# Altium PCB ECUv2.PcbDoc (continued)
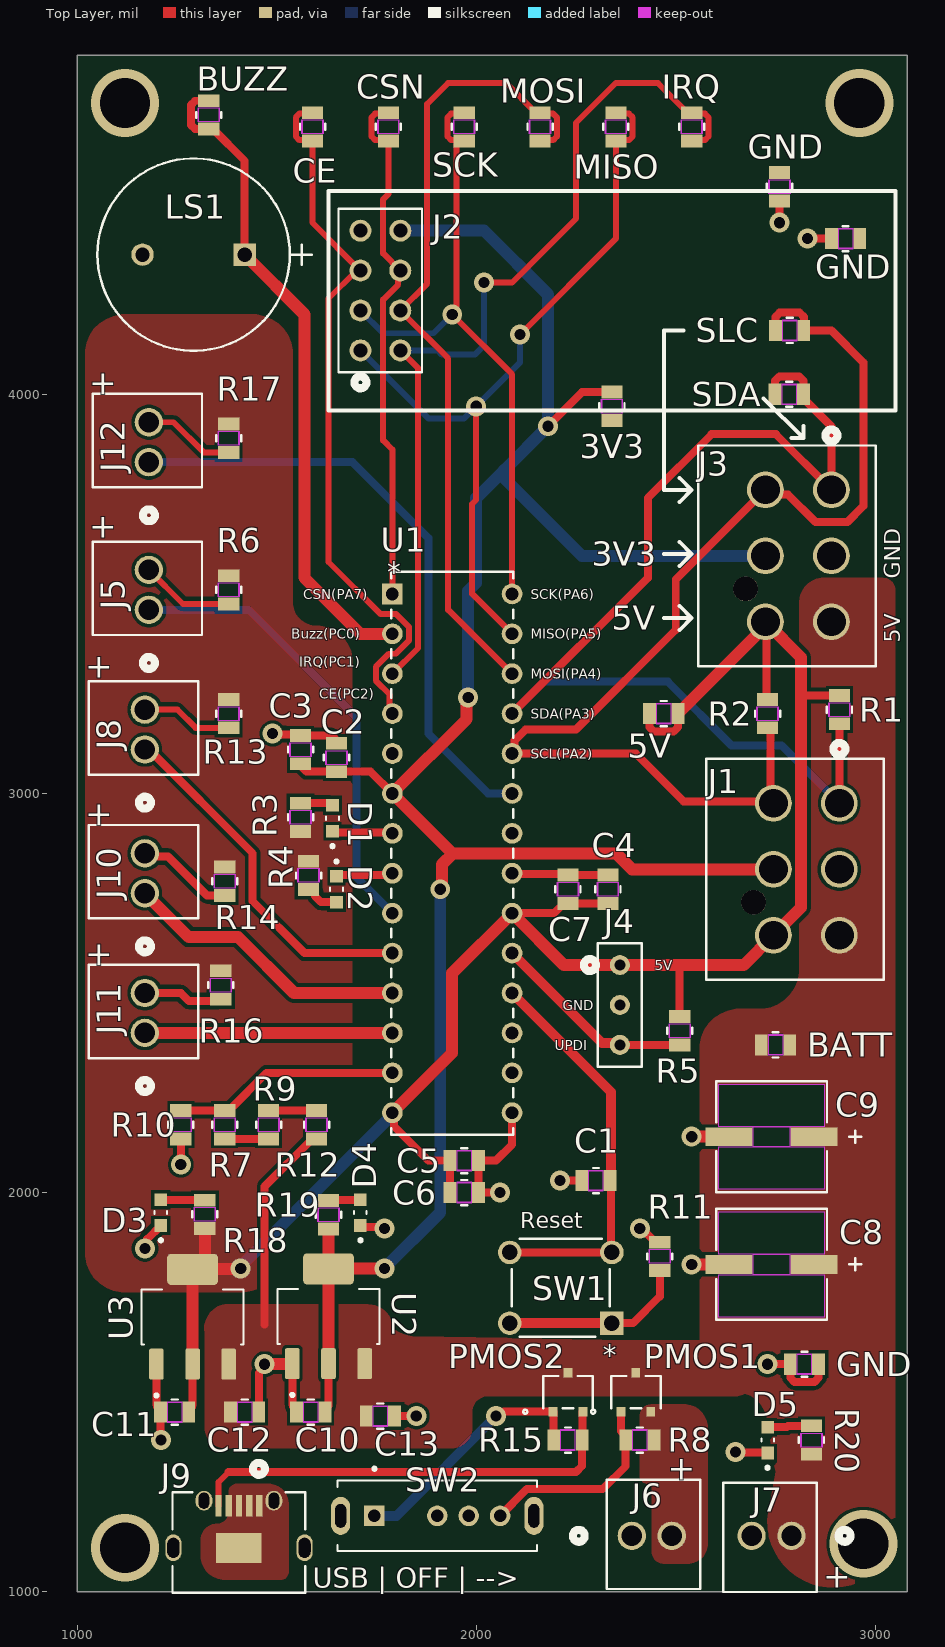
[diagram p0: Top Layer view]
## Part data (continued)
J9: library part "CON USB micro ab", "USB Connector, 5 Contact(s), Female, Right Angle, Surface Mount Terminal, Locking, Receptacle", Contact Resistance=30mR, Dielectric Withstanding Voltage (AC)=141V, Insulation Resistance=1GR, Manufacturer=Molex, Manufacturer Part Number=47590-0001, Max Operating Temperature=85°C, Min Operating Temperature=-30°C, Rated Current (Signal)=1A, Supplier Part Number=WM17144CT-ND, Additional Feature=Shielded, Board Mounting Option=PEG, Body Breadth=0.118inch, Body Depth=0.232inch, Body Length=0.295inch, Body/Shell Style=RECEPTACLE, Category="USB Connectors", ComponentLink1Description=https://datasheet.ciiva.com:443/pdfs/VipMasterIC/IC/MOLE/MOLE-S-A0000442751/MOLE-S-A0000443003-1.pdf?src-supplier=IHS+Markit, ComponentLink1URL=https://datasheet.ciiva.com:443/pdfs/VipMasterIC/IC/MOLE/MOLE-S-A0000442751/MOLE-S-A0000443003-1.pdf?src-supplier=IHS+Markit, ComponentLink2Description=https://datasheet.ciiva.com/11731/0900766b80dfe0a6-11731294.pdf?src-supplier=Rs, ComponentLink2URL=https://datasheet.ciiva.com/11731/0900766b80dfe0a6-11731294.pdf?src-supplier=Rs, ComponentLink3Description=https://datasheet.ciiva.com/1098/1597781-1098479.pdf?src-supplier=Element14, ComponentLink3URL=https://datasheet.ciiva.com/1098/1597781-1098479.pdf?src-supplier=Element14, ComponentLink4Description=https://datasheet.ciiva.com/16148/0475900001-io-connectors-16148922.pdf?src-supplier=Onlinecomponents.com, ComponentLink4URL=https://datasheet.ciiva.com/16148/0475900001-io-connectors-16148922.pdf?src-supplier=Onlinecomponents.com, Connector Type="TELECOM AND DATACOM CONNECTOR", Contact Finish - Mating=GOLD, Contact Finish - Termination="Gold (Au)", Contact Gender=Female, Contact Material="Copper Alloy", DIN Conformance=No, Durability=10000Cycles, Empty Shell=No, Filter Feature=No, IEC Conformance=No, Insulation Material=Polymer, JESD-609 Code=e4, MIL Conformance=No, Mixed Contacts=No, Mounting Option 1=LOCKING, Mounting Style="RIGHT ANGLE", Mounting Technology=Cable, Number Of Connectors=1, Number of Contacts=5, Number Of PCB Rows=1, Option="General Purpose", PCB Contact Pattern=RECTANGULAR, Polarization Key="POLAR PIN POSITION", Pricing="1=0.75, 10=0.636, 25=0.5964, 50=0.568, 100=0.5408, 250=0.50688, 500=0.48264 (USD)", Reach SVHC Compliant=Yes, Reference Standard=UL, Reliability=COMMERCIAL, RoHS=Yes, RoHS Compliant=Yes, Shell Finish=Tin, Shell Material="Stainless Steel", Stock=37888, Supplier=Digikey, Terminal Pitch=0.6604mm, Termination=SMD/SMT
LS1: "Audio Signaling/Alarm Devices", Manufacturer="CUI Devices", Manufacturer Part Number=CEM-1203(42), Category=Buzzers, ComponentLink1Description=https://www.cuidevices.com/product/resource/digikeypdf/cem-1203-42-.pdf?src-supplier=Digikey, ComponentLink1URL=https://www.cuidevices.com/product/resource/digikeypdf/cem-1203-42-.pdf?src-supplier=Digikey, ComponentLink2Description=https://datasheet.octopart.com/CEM-1203%2842%29-CUI-Devices-datasheet-175926661.pdf?src-supplier=Future+Electronics, ComponentLink2URL=https://datasheet.octopart.com/CEM-1203%2842%29-CUI-Devices-datasheet-175926661.pdf?src-supplier=Future+Electronics, ComponentLink3Description=https://datasheet.octopart.com/CEM-1203%2842%29-Same-Sky-datasheet-182879445.pdf?src-supplier=Electro+Sonic, ComponentLink3URL=https://datasheet.octopart.com/CEM-1203%2842%29-Same-Sky-datasheet-182879445.pdf?src-supplier=Electro+Sonic, ComponentLink4Description=https://datasheet.octopart.com/CEM-1203%2842%29-CUI-Devices-datasheet-175925305.pdf?src-supplier=Master+Electronics, ComponentLink4URL=https://datasheet.octopart.com/CEM-1203%2842%29-CUI-Devices-datasheet-175925305.pdf?src-supplier=Master+Electronics, Pricing="1=0.5383, 10=0.4658, 25=0.4267, 40=0.4109, 80=0.3857, 230=0.3659, 500=0.365 (USD)", RoHS=Yes, Stock=12257, Supplier="Arrow Electronics", Supplier Part Number=CEM-1203(42)
PMOS1 PMOS2: library part "MOS PMOS 30V 6A", "Power Field-Effect Transistor, 6A I(D), 30V, 0.042ohm, 1-Element, P-Channel, Silicon, Metal-oxide Semiconductor FET", Manufacturer=Toshiba, Manufacturer Part Number=SSM3J372R,LF, Supplier Part Number=SSM3J372RLFCT-ND, Category=LDO, Pricing="1=0.35, 10=0.217, 100=0.1361, 500=0.10106, 1000=0.08971 (USD)", RoHS=No, Stock=64640, Supplier=Digikey
R1 R2 R7: library part "RES 3.9k 1% 0.125W 0805", "Fixed Resistor, Metal Glaze/thick Film, 0.125W, 3920ohm, 150V, 1% +/-Tol, 100ppm/Cel, Surface Mount, 0805", Case/Package=0805, Manufacturer="Stackpole Electronics", Manufacturer Part Number=RMCF0805FT3K92, Max Operating Temperature=155°C, Min Operating Temperature=-55°C, Package Height=0.5mm, Package Length=2mm, Package Shape=Rectangular, Package Width=1.25mm, Power=125mW, Rated Temperature=70°C, Resistor Type="FIXED RESISTOR", Supplier Part Number=RMCF0805FT3K92CT-ND, Temperature Coefficient (ppm/Cel)=100, Tolerance=1%, Working Voltage=150V, Category="Chip SMD Resistors", ComponentLink1Description=https://datasheet.ciiva.com:443/pdfs/VipMasterIC/IC/SEIE/SEIE-S-A0009541969/SEIE-S-A0009541969-1.pdf?src-supplier=IHS+Markit, ComponentLink1URL=https://datasheet.ciiva.com:443/pdfs/VipMasterIC/IC/SEIE/SEIE-S-A0009541969/SEIE-S-A0009541969-1.pdf?src-supplier=IHS+Markit, ComponentLink2Description=https://datasheet.ciiva.com/3882/40960751s7172021n1174-3882844.pdf?src-supplier=Arrow+Electronics, ComponentLink2URL=https://datasheet.ciiva.com/3882/40960751s7172021n1174-3882844.pdf?src-supplier=Arrow+Electronics, ComponentLink3Description=https://datasheet.ciiva.com/15193/getdatasheetpartid-565526-15193591.pdf?src-supplier=Verical, ComponentLink3URL=https://datasheet.ciiva.com/15193/getdatasheetpartid-565526-15193591.pdf?src-supplier=Verical, Construction=Rectangular, JESD-609 Code=e3, Mounting Technology="Surface Mount", Packaging="Tape and Reel", Pins=2, Pricing="1=0.1, 10=0.021, 50=0.0128, 100=0.0105, 500=0.00704, 1000=0.00602 (USD)", Reach SVHC Compliant=Yes, Reference Standard=AEC-Q200, RoHS=Yes, RoHS Compliant=Yes, Stock=141516, Supplier=Digikey, Technology="METAL GLAZE/THICK FILM", Terminal Finish=Nickel, Termination=Wraparound
R3 R4 R6 R13 R14 R16 R17 R18 R19: library part "RES 150 1% 0.125 0805", "Fixed Resistor, Metal Glaze/thick Film, 0.125W, 150ohm, 150V, 1% +/-Tol, 100ppm/Cel, Surface Mount, 0805", Case/Package=0805, Manufacturer=Yageo, Manufacturer Part Number=RC0805FR-07150RL, Max Operating Temperature=155°C, Min Operating Temperature=-55°C, Package Height=0.5mm, Package Length=2mm, Package Shape=Rectangular, Package Width=1.25mm, Power=125mW, Rated Temperature=70°C, Resistor Type="FIXED RESISTOR", Supplier Part Number=311-150CRCT-ND, Temperature Coefficient (ppm/Cel)=100, Tolerance=1%, Working Voltage=150V, Additional Feature="LASER TRIMMABLE", Category="Chip SMD Resistors", ComponentLink1Description=https://datasheet.ciiva.com:443/pdfs/VipMasterIC/IC/YAGO/YAGO-S-A0008145938/YAGO-S-A0008145938-1.pdf?src-supplier=IHS+Markit, ComponentLink1URL=https://datasheet.ciiva.com:443/pdfs/VipMasterIC/IC/YAGO/YAGO-S-A0008145938/YAGO-S-A0008145938-1.pdf?src-supplier=IHS+Markit, ComponentLink2Description=https://datasheet.ciiva.com/11819/0900766b8106beab-11819782.pdf?src-supplier=Rs, ComponentLink2URL=https://datasheet.ciiva.com/11819/0900766b8106beab-11819782.pdf?src-supplier=Rs, ComponentLink3Description=https://datasheet.ciiva.com/2456/pyu-r-int-thick-7-2456999.pdf?src-supplier=Digikey, ComponentLink3URL=https://datasheet.ciiva.com/2456/pyu-r-int-thick-7-2456999.pdf?src-supplier=Digikey, ComponentLink4Description=https://datasheet.ciiva.com/2457/pyu-r-int-thick-7-2457000.pdf?src-supplier=Digikey, ComponentLink4URL=https://datasheet.ciiva.com/2457/pyu-r-int-thick-7-2457000.pdf?src-supplier=Digikey, ComponentLink5Description=https://datasheet.ciiva.com/2457/pyu-r-int-thick-7-2457001.pdf?src-supplier=Digikey, ComponentLink5URL=https://datasheet.ciiva.com/2457/pyu-r-int-thick-7-2457001.pdf?src-supplier=Digikey, ComponentLink6Description=https://datasheet.ciiva.com/7660/38627-7660798.pdf?src-supplier=Element14, ComponentLink6URL=https://datasheet.ciiva.com/7660/38627-7660798.pdf?src-supplier=Element14, ComponentLink7Description=https://datasheet.ciiva.com/46447/444164-46447566.pdf?src-supplier=Element14, ComponentLink7URL=https://datasheet.ciiva.com/46447/444164-46447566.pdf?src-supplier=Element14, ComponentLink8Description=https://datasheet.ciiva.com/12668/rc0805-12668251.pdf?src-supplier=Mouser, ComponentLink8URL=https://datasheet.ciiva.com/12668/rc0805-12668251.pdf?src-supplier=Mouser, Construction=Chip, JESD-609 Code=e3, Mounting Technology="Surface Mount", Packaging="Tape and Reel", Pins=2, Pricing="1=0.1, 10=0.014, 100=0.0112, 1000=0.00918 (USD)", Reach SVHC Compliant=Yes, RoHS=Yes, RoHS Compliant=Yes, Stock=982514, Supplier=Digikey, Technology="METAL GLAZE/THICK FILM", Terminal Finish=Nickel, Termination=Wraparound
R5 R20: library part "RES 1.4k 1% 0.125W 0805", "Fixed Resistor, Metal Glaze/thick Film, 0.125W, 1400ohm, 150V, 1% +/-Tol, 100ppm/Cel, Surface Mount, 0805", Case/Package=0805, Manufacturer=Yageo, Manufacturer Part Number=RC0805FR-071K4L, Max Operating Temperature=155°C, Min Operating Temperature=-55°C, Package Height=0.5mm, Package Length=2mm, Package Shape=Rectangular, Package Width=1.25mm, Power=125mW, Rated Temperature=70°C, Resistor Type="FIXED RESISTOR", Supplier Part Number=5205166, Temperature Coefficient (ppm/Cel)=100, Tolerance=1%, Working Voltage=150V, Additional Feature="LASER TRIMMABLE", Category="Chip SMD Resistors", ComponentLink1Description=https://datasheet.ciiva.com:443/pdfs/VipMasterIC/IC/YAGO/YAGO-S-A0008145938/YAGO-S-A0008145938-1.pdf?src-supplier=IHS+Markit, ComponentLink1URL=https://datasheet.ciiva.com:443/pdfs/VipMasterIC/IC/YAGO/YAGO-S-A0008145938/YAGO-S-A0008145938-1.pdf?src-supplier=IHS+Markit, ComponentLink2Description=https://datasheet.ciiva.com/2519/pyu-r-int-thick-7-2519780.pdf?src-supplier=Digikey, ComponentLink2URL=https://datasheet.ciiva.com/2519/pyu-r-int-thick-7-2519780.pdf?src-supplier=Digikey, ComponentLink3Description=https://datasheet.ciiva.com/2519/pyu-r-int-thick-7-2519781.pdf?src-supplier=Digikey, ComponentLink3URL=https://datasheet.ciiva.com/2519/pyu-r-int-thick-7-2519781.pdf?src-supplier=Digikey, ComponentLink4Description=https://datasheet.ciiva.com/2519/pyu-r-int-thick-7-2519782.pdf?src-supplier=Digikey, ComponentLink4URL=https://datasheet.ciiva.com/2519/pyu-r-int-thick-7-2519782.pdf?src-supplier=Digikey, ComponentLink5Description=https://datasheet.ciiva.com/5596/rc0805-5596057.pdf?src-supplier=Mouser, ComponentLink5URL=https://datasheet.ciiva.com/5596/rc0805-5596057.pdf?src-supplier=Mouser, ComponentLink6Description=https://datasheet.ciiva.com/17033/rc0805-17033654.pdf?src-supplier=Future+Electronics, ComponentLink6URL=https://datasheet.ciiva.com/17033/rc0805-17033654.pdf?src-supplier=Future+Electronics, Construction=Chip, JESD-609 Code=e3, Mounting Technology="Surface Mount", Packaging="Tape and Reel", Pins=2, Pricing="5000=0.0021, 20000=0.002, 100000=0.0019, 200000=0.0018, 625000=0.0017 (USD)", Reach SVHC Compliant=Yes, RoHS=Yes, RoHS Compliant=Yes, Stock=70000, Supplier="Future Electronics", Technology="METAL GLAZE/THICK FILM", Terminal Finish=Nickel, Termination=Wraparound
R8 R15: library part "RES 10k 1% 0.125 0805", "Fixed Resistor, Metal Glaze/thick Film, 0.125W, 10000ohm, 150V, 1% +/-Tol, 100ppm/Cel, Surface Mount, 0805", Case/Package=0805, Manufacturer="Stackpole Electronics", Manufacturer Part Number=RMCF0805FT10K0, Max Operating Temperature=155°C, Min Operating Temperature=-55°C, Package Height=0.5mm, Package Length=2mm, Package Shape=Rectangular, Package Width=1.25mm, Power=125mW, Rated Temperature=70°C, Resistor Type="FIXED RESISTOR", Supplier Part Number=RMCF0805FT10K0CT-ND, Temperature Coefficient (ppm/Cel)=100, Tolerance=1%, Working Voltage=150V, Category="Chip SMD Resistors", ComponentLink1Description=https://datasheet.ciiva.com:443/pdfs/VipMasterIC/IC/SEIE/SEIE-S-A0009541969/SEIE-S-A0009541969-1.pdf?src-supplier=IHS+Markit, ComponentLink1URL=https://datasheet.ciiva.com:443/pdfs/VipMasterIC/IC/SEIE/SEIE-S-A0009541969/SEIE-S-A0009541969-1.pdf?src-supplier=IHS+Markit, ComponentLink2Description=https://datasheet.ciiva.com/15193/getdatasheetpartid-362046-15193525.pdf?src-supplier=Verical, ComponentLink2URL=https://datasheet.ciiva.com/15193/getdatasheetpartid-362046-15193525.pdf?src-supplier=Verical, Construction=Rectangular, JESD-609 Code=e3, Mounting Technology="Surface Mount", Packaging="Tape and Reel", Pins=2, Pricing="1=0.1, 10=0.025, 100=0.012, 1000=0.00658, 2500=0.00538 (USD)", Reach SVHC Compliant=Yes, Reference Standard=AEC-Q200, RoHS=Yes, RoHS Compliant=Yes, Stock=1401146, Supplier=Digikey, Technology="METAL GLAZE/THICK FILM", Terminal Finish=Nickel, Termination=Wraparound
R9: library part "RES 18.7k 1% 0.125W 0805", "Fixed Resistor, Metal Glaze/thick Film, 0.125W, 18700ohm, 150V, 1% +/-Tol, 100ppm/Cel, Surface Mount, 0805", Case/Package=0805, Manufacturer="Stackpole Electronics", Manufacturer Part Number=RMCF0805FT18K7, Max Operating Temperature=155°C, Min Operating Temperature=-55°C, Package Height=0.5mm, Package Length=2mm, Package Shape=Rectangular, Package Width=1.25mm, Power=125mW, Rated Temperature=70°C, Resistor Type="FIXED RESISTOR", Supplier Part Number=RMCF0805FT18K7CT-ND, Temperature Coefficient (ppm/Cel)=100, Tolerance=1%, Working Voltage=150V, Category="Chip SMD Resistors", ComponentLink1Description=https://datasheet.ciiva.com:443/pdfs/VipMasterIC/IC/SEIE/SEIE-S-A0009541969/SEIE-S-A0009541969-1.pdf?src-supplier=IHS+Markit, ComponentLink1URL=https://datasheet.ciiva.com:443/pdfs/VipMasterIC/IC/SEIE/SEIE-S-A0009541969/SEIE-S-A0009541969-1.pdf?src-supplier=IHS+Markit, ComponentLink2Description=http://components.arrow.com/part/dataview/50586056S357577N1174?src-supplier=Arrow+Electronics, ComponentLink2URL=http://components.arrow.com/part/dataview/50586056S357577N1174?src-supplier=Arrow+Electronics, ComponentLink3Description=https://www.seielect.com/catalog/sei-rmcf_rmcp.pdf?src-supplier=Digikey, ComponentLink3URL=https://www.seielect.com/catalog/sei-rmcf_rmcp.pdf?src-supplier=Digikey, ComponentLink4Description=https://www.seielect.com/catalog/SEI-RMCF_RMCP.pdf?src-supplier=Avnet, ComponentLink4URL=https://www.seielect.com/catalog/SEI-RMCF_RMCP.pdf?src-supplier=Avnet, ComponentLink5Description=https://datasheet.octopart.com/RMCF0805FT18K7-Stackpole-Electronics-datasheet-28504820.pdf?src-supplier=Future+Electronics, ComponentLink5URL=https://datasheet.octopart.com/RMCF0805FT18K7-Stackpole-Electronics-datasheet-28504820.pdf?src-supplier=Future+Electronics, Construction=Rectangular, JESD-609 Code=e3, Mounting Technology="Surface Mount", Packaging="Tape and Reel", Pins=2, Pricing="1=0.1, 10=0.025, 100=0.012, 1000=0.00628, 2500=0.00538 (USD)", Reach SVHC Compliant=Yes, Reference Standard=AEC-Q200, RoHS=Yes, RoHS Compliant=Yes, Stock=214137, Supplier=Digikey, Technology="METAL GLAZE/THICK FILM", Terminal Finish=Nickel, Termination=Wraparound
R10 R12: library part "RES 41.2K 1% 0.125W 0805", "Fixed Resistor, Metal Glaze/thick Film, 0.125W, 41200ohm, 150V, 1% +/-Tol, 100ppm/Cel, Surface Mount, 0805", Case/Package=0805, Manufacturer=Vishay, Manufacturer Part Number=CRCW080541K2FKEA, Max Operating Temperature=155°C, Min Operating Temperature=-55°C, Package Height=0.45mm, Package Length=2mm, Package Shape=Rectangular, Package Width=1.25mm, Power=125mW, Rated Temperature=70°C, Resistor Type="FIXED RESISTOR", Temperature Coefficient (ppm/Cel)=100, Tolerance=1%, Working Voltage=150V, Category="Chip SMD Resistors", ComponentLink1Description=https://datasheet.ciiva.com:443/pdfs/VipMasterIC/IC/VISH/VISH-S-A0007266705/VISH-S-A0007266705-1.pdf?src-supplier=IHS+Markit, ComponentLink1URL=https://datasheet.ciiva.com:443/pdfs/VipMasterIC/IC/VISH/VISH-S-A0007266705/VISH-S-A0007266705-1.pdf?src-supplier=IHS+Markit, ComponentLink2Description=https://datasheet.ciiva.com/2467/dcrcwe3-2467875.pdf?src-supplier=Digikey, ComponentLink2URL=https://datasheet.ciiva.com/2467/dcrcwe3-2467875.pdf?src-supplier=Digikey, ComponentLink3Description=https://datasheet.ciiva.com/2467/dcrcwe3-2467876.pdf?src-supplier=Digikey, ComponentLink3URL=https://datasheet.ciiva.com/2467/dcrcwe3-2467876.pdf?src-supplier=Digikey, ComponentLink4Description=https://datasheet.ciiva.com/2467/dcrcwe3-2467877.pdf?src-supplier=Digikey, ComponentLink4URL=https://datasheet.ciiva.com/2467/dcrcwe3-2467877.pdf?src-supplier=Digikey, ComponentLink5Description=https://datasheet.ciiva.com/9009/dcrcwe3-9009672.pdf?src-supplier=Avnet, ComponentLink5URL=https://datasheet.ciiva.com/9009/dcrcwe3-9009672.pdf?src-supplier=Avnet, ComponentLink6Description=https://datasheet.ciiva.com/5552/dcrcwe3-109170-5552669.pdf?src-supplier=Mouser, ComponentLink6URL=https://datasheet.ciiva.com/5552/dcrcwe3-109170-5552669.pdf?src-supplier=Mouser, ComponentLink7Description=https://datasheet.ciiva.com/7671/1697337-7671701.pdf?src-supplier=Element14, ComponentLink7URL=https://datasheet.ciiva.com/7671/1697337-7671701.pdf?src-supplier=Element14, ComponentLink8Description=https://datasheet.ciiva.com/7725/125364-7725967.pdf?src-supplier=Element14, ComponentLink8URL=https://datasheet.ciiva.com/7725/125364-7725967.pdf?src-supplier=Element14, ComponentLink9Description=https://datasheet.ciiva.com/22702/1697337-22702910.pdf?src-supplier=Element14, ComponentLink9URL=https://datasheet.ciiva.com/22702/1697337-22702910.pdf?src-supplier=Element14, ComponentLink10Description=https://datasheet.ciiva.com/16200/dcrcwe3-16200485.pdf?src-supplier=Future+Electronics, ComponentLink10URL=https://datasheet.ciiva.com/16200/dcrcwe3-16200485.pdf?src-supplier=Future+Electronics, Construction=Chip, JESD-609 Code=e3, Mounting Technology="Surface Mount", Packaging="Tape and Reel", Pins=2, Pricing="1=0.0041 (USD)", Reach SVHC Compliant=Yes, Reference Standard=AEC-Q200, RoHS=Yes, RoHS Compliant=Yes, Stock=1, Supplier="Arrow Electronics", Supplier Part Number=CRCW080541K2FKEA, Technology="METAL GLAZE/THICK FILM", Terminal Finish=Nickel, Termination=Wraparound
R11: library part "RES 330 1% 0.125W 0805", "Fixed Resistor, Metal Glaze/thick Film, 0.125W, 330ohm, 150V, 1% +/-Tol, 100ppm/Cel, Surface Mount, 0805", Case/Package=0805, Manufacturer="Stackpole Electronics", Manufacturer Part Number=RMCF0805FT330R, Max Operating Temperature=155°C, Min Operating Temperature=-55°C, Package Height=0.5mm, Package Length=2mm, Package Shape=Rectangular, Package Width=1.25mm, Power=125mW, Rated Temperature=70°C, Resistor Type="FIXED RESISTOR", Supplier Part Number=RMCF0805FT330RCT-ND, Temperature Coefficient (ppm/Cel)=100, Tolerance=1%, Working Voltage=150V, Category="Chip SMD Resistors", ComponentLink1Description=https://datasheet.ciiva.com:443/pdfs/VipMasterIC/IC/SEIE/SEIE-S-A0009541969/SEIE-S-A0009541969-1.pdf?src-supplier=IHS+Markit, ComponentLink1URL=https://datasheet.ciiva.com:443/pdfs/VipMasterIC/IC/SEIE/SEIE-S-A0009541969/SEIE-S-A0009541969-1.pdf?src-supplier=IHS+Markit, ComponentLink2Description=http://components.arrow.com/part/dataview/40963487S9848862N1174?src-supplier=Arrow+Electronics, ComponentLink2URL=http://components.arrow.com/part/dataview/40963487S9848862N1174?src-supplier=Arrow+Electronics, ComponentLink3Description=https://www.seielect.com/catalog/SEI-RMCF_RMCP.pdf?src-supplier=Avnet, ComponentLink3URL=https://www.seielect.com/catalog/SEI-RMCF_RMCP.pdf?src-supplier=Avnet, ComponentLink4Description=https://www.seielect.com/catalog/sei-rmcf_rmcp.pdf?src-supplier=Digikey, ComponentLink4URL=https://www.seielect.com/catalog/sei-rmcf_rmcp.pdf?src-supplier=Digikey, ComponentLink5Description=https://www.seielect.com/catalog/SEI-Packaging.pdf?src-supplier=Digikey, ComponentLink5URL=https://www.seielect.com/catalog/SEI-Packaging.pdf?src-supplier=Digikey, ComponentLink6Description=https://www.verical.com/server-webapp/html/getDatasheet?partID=559884&src-supplier=Verical, ComponentLink6URL=https://www.verical.com/server-webapp/html/getDatasheet?partID=559884&src-supplier=Verical, ComponentLink7Description=https://datasheet.octopart.com/RMCF0805FT330R-Stackpole-Electronics-datasheet-12534581.pdf?src-supplier=Future+Electronics, ComponentLink7URL=https://datasheet.octopart.com/RMCF0805FT330R-Stackpole-Electronics-datasheet-12534581.pdf?src-supplier=Future+Electronics, Construction=Rectangular, JESD-609 Code=e3, Mounting Technology="Surface Mount", Packaging="Tape and Reel", Pins=2, Pricing="1=0.1, 10=0.025, 100=0.012, 1000=0.00658, 2500=0.00564 (USD)", Reach SVHC Compliant=Yes, Reference Standard=AEC-Q200, RoHS=Yes, RoHS Compliant=Yes, Stock=270482, Supplier=Digikey, Technology="METAL GLAZE/THICK FILM", Terminal Finish=Nickel, Termination=Wraparound
SW1: "Keypad Switch, 1 Switches, SPST, Momentary-tactile, 0.05A, 24VDC, 2.06N, 4 PCB Hole Cnt, Solder Terminal, Through Hole-straight", Contact Current(DC)-Max=50mA, Contact DC Max Rating R Load=.05A@24VDC, Contact Voltage(DC)-Max=24V, Manufacturer="TE Connectivity Alcoswitch", Manufacturer Part Number=1825910-6, Max Operating Temperature=85°C, Min Operating Temperature=-35°C, Operating Force-Max=2.06N, Body Breadth=5.99mm, Body Height=3.61mm, Body Length or Diameter=5.99mm, Category="Pushbutton Switches", Circuit Configuration=1X1, ComponentLink1Description=https://datasheet.ciiva.com:443/pdfs/VipMasterIC/IC/TYEL/TYEL-S-A0008869674/TYEL-S-A0008850909-1.pdf?src-supplier=IHS+Markit, ComponentLink1URL=https://datasheet.ciiva.com:443/pdfs/VipMasterIC/IC/TYEL/TYEL-S-A0008869674/TYEL-S-A0008850909-1.pdf?src-supplier=IHS+Markit, ComponentLink2Description=https://datasheet.ciiva.com/30199/1825910-6rqpn1825910-6-30199520.pdf?src-supplier=Onlinecomponents.com, ComponentLink2URL=https://datasheet.ciiva.com/30199/1825910-6rqpn1825910-6-30199520.pdf?src-supplier=Onlinecomponents.com, ComponentLink3Description=https://datasheet.ciiva.com/15184/getdatasheetpartid-395915-15184509.pdf?src-supplier=Verical, ComponentLink3URL=https://datasheet.ciiva.com/15184/getdatasheetpartid-395915-15184509.pdf?src-supplier=Verical, Mounting Technology="Through Hole", Number of Switches=1, Pricing="1=0.04963, 10=0.04908, 30=0.04866, 50=0.04823, 100=0.0478 (USD)", Reach SVHC Compliant=Yes, RoHS=Yes, RoHS Compliant=Yes, Stock=150345, Supplier=Avnet, Supplier Part Number=1825910-6, Switch Action=MOMENTARY, Switch Function=SPST, Switch Type=Keypad, Termination=Solder
SW2: library part "SW On-On-On 300mA", "12.7 x 7.5 x 4.5 mm, 2 mm Raised Slide Actuator, Right Angle, Through Hole, Slide Switch", Manufacturer="Same Sky", Manufacturer Part Number=SLW-1277545-2A-RA-S-D, Supplier Part Number=2223-SLW-1277545-2A-RA-S-D-ND, Pricing="1=0.39, 10=0.336, 25=0.314, 100=0.2811, 250=0.26048, 500=0.24582, 1000=0.23217, 3000=0.2128, 5000=0.20479 (USD)", RoHS=No, Stock=2799, Supplier=Digikey
U1: "RISC Microcontroller, 8-Bit, FLASH, AVR CPU, 24MHz, CMOS, PDIP28", Manufacturer=Microchip, Supplier Part Number=12AJ7043, Category=Microcontrollers, ComponentLink1Description=http://ww1.microchip.com/downloads/en/DeviceDoc/AVR128DB28-32-48-64-DataSheet-DS40002247A.pdf?src-supplier=Digikey, ComponentLink1URL=http://ww1.microchip.com/downloads/en/DeviceDoc/AVR128DB28-32-48-64-DataSheet-DS40002247A.pdf?src-supplier=Digikey, ComponentLink2Description=https://datasheet.octopart.com/AVR128DB28-I-SP-Microchip-datasheet-168930144.pdf?src-supplier=microchipDIRECT, ComponentLink2URL=https://datasheet.octopart.com/AVR128DB28-I-SP-Microchip-datasheet-168930144.pdf?src-supplier=microchipDIRECT, Manufacturer Part Number=AVR128DB28-I/SP, Pricing="1=5.04, 10=4.9, 30=4.76, 60=4.62, 105=4.41, 510=4.2 (CAD)", RoHS=No, Stock=41, Supplier=Newark
U2: "Fixed Positive LDO Regulator, 3.3V, 0.6V Dropout, PDSO4", Case/Package=SOP, Dropout Voltage1-Max=600mV, Manufacturer=STMicroelectronics, Max Supply Voltage=18V, Min Input Voltage=4.3V, Operating Temperature, TJ-Max=125°C, Operating Temperature, TJ-Min=-40°C, Output Current1-Max=1.2A, Output Voltage1-Max=3.399V, Output Voltage1-Min=3.201V, Output Voltage1-Nom=3.3V, Package Body Material=Plastic, Package Shape=Rectangular, Package Style="SMALL OUTLINEMeter", Category="Voltage Regulators - Linear", Channels=1, ComponentLink1Description=https://datasheet.ciiva.com:443/pdfs/VipMasterIC/IC/SGST/SGST-S-A0010030722/SGST-S-A0010030722-1.pdf?src-supplier=IHS+Markit, ComponentLink1URL=https://datasheet.ciiva.com:443/pdfs/VipMasterIC/IC/SGST/SGST-S-A0010030722/SGST-S-A0010030722-1.pdf?src-supplier=IHS+Markit, ComponentLink2Description=http://www.farnell.com/datasheets/2259188.pdf?src-supplier=Farnell, ComponentLink2URL=http://www.farnell.com/datasheets/2259188.pdf?src-supplier=Farnell, ComponentLink3Description=http://www.st.com/content/ccc/resource/technical/document/datasheet/group3/0e/5a/00/ca/10/1a/4f/a5/DM00366442/files/DM00366442.pdf/jcr:content/translations/en.DM00366442.pdf?src-supplier=Digikey, ComponentLink3URL=http://www.st.com/content/ccc/resource/technical/document/datasheet/group3/0e/5a/00/ca/10/1a/4f/a5/DM00366442/files/DM00366442.pdf/jcr:content/translations/en.DM00366442.pdf?src-supplier=Digikey, ComponentLink4Description=http://www.farnell.com/datasheets/2259188.pdf?src-supplier=Element14, ComponentLink4URL=http://www.farnell.com/datasheets/2259188.pdf?src-supplier=Element14, ComponentLink5Description=http://www.farnell.com/datasheets/2259188.pdf?src-supplier=Newark, ComponentLink5URL=http://www.farnell.com/datasheets/2259188.pdf?src-supplier=Newark, ComponentLink6Description=https://datasheet.octopart.com/LDL1117S33R-STMicroelectronics-datasheet-165583407.pdf?src-supplier=TME, ComponentLink6URL=https://datasheet.octopart.com/LDL1117S33R-STMicroelectronics-datasheet-165583407.pdf?src-supplier=TME, Height - Seated (Max)=1.9mm, JESD-30 Code=R-PDSO-G4, Length=6.5mm, Manufacturer Part Number=LDL1117S33R, Pins=4, Pricing="2500=0.294, 5000=0.2911, 7500=0.2135, 12500=0.1452, 17500=0.112, 25000=0.0997 (USD)", Reach SVHC Compliant=Yes, Regulator Type="FIXED POSITIVE SINGLE OUTPUT LDO REGULATOR", RoHS=Yes, RoHS Compliant=Yes, Stock=650000, Supplier="Arrow Electronics", Supplier 1="Arrow Electronics", Supplier Part Number=LDL1117S33R, Supplier Part Number 1=LDL1117S33R, Surface Mount=Yes, Terminal Form="Gull Wing", Terminal Pitch=2.3mm, Terminal Position=DUAL, Width=3.5mm
U3: "Fixed Positive LDO Regulator, 5V, 0.6V Dropout, PDSO4", Case/Package=SOP, Dropout Voltage1-Max=600mV, Manufacturer=STMicroelectronics, Max Supply Voltage=18V, Min Input Voltage=6V, Operating Temperature, TJ-Max=125°C, Operating Temperature, TJ-Min=-40°C, Output Current1-Max=1.2A, Output Voltage1-Max=5.15V, Output Voltage1-Min=4.85V, Output Voltage1-Nom=5V, Package Body Material=Plastic, Package Shape=Rectangular, Package Style="SMALL OUTLINEMeter", Category="Voltage Regulators - Linear", Channels=1, ComponentLink1Description=https://datasheet.ciiva.com:443/pdfs/VipMasterIC/IC/SGST/SGST-S-A0010030722/SGST-S-A0010030722-1.pdf?src-supplier=IHS+Markit, ComponentLink1URL=https://datasheet.ciiva.com:443/pdfs/VipMasterIC/IC/SGST/SGST-S-A0010030722/SGST-S-A0010030722-1.pdf?src-supplier=IHS+Markit, ComponentLink2Description=http://www.farnell.com/datasheets/2259188.pdf?src-supplier=Farnell, ComponentLink2URL=http://www.farnell.com/datasheets/2259188.pdf?src-supplier=Farnell, ComponentLink3Description=http://www.st.com/content/ccc/resource/technical/document/datasheet/group3/0e/5a/00/ca/10/1a/4f/a5/DM00366442/files/DM00366442.pdf/jcr:content/translations/en.DM00366442.pdf?src-supplier=Digikey, ComponentLink3URL=http://www.st.com/content/ccc/resource/technical/document/datasheet/group3/0e/5a/00/ca/10/1a/4f/a5/DM00366442/files/DM00366442.pdf/jcr:content/translations/en.DM00366442.pdf?src-supplier=Digikey, ComponentLink4Description=http://www.farnell.com/datasheets/2259188.pdf?src-supplier=Newark, ComponentLink4URL=http://www.farnell.com/datasheets/2259188.pdf?src-supplier=Newark, Height - Seated (Max)=1.9mm, JESD-30 Code=R-PDSO-G4, Length=6.5mm, Manufacturer Part Number=LDL1117S50R, Pins=4, Pricing="1=0.4496, 10=0.2819, 25=0.2795, 50=0.2738, 100=0.2253, 250=0.2208, 500=0.2045, 1000=0.1573 (USD)", Reach SVHC Compliant=Yes, Regulator Type="FIXED POSITIVE SINGLE OUTPUT LDO REGULATOR", RoHS=Yes, RoHS Compliant=Yes, Stock=195470, Supplier="Arrow Electronics", Supplier Part Number=LDL1117S50R, Surface Mount=Yes, Terminal Form="Gull Wing", Terminal Pitch=2.3mm, Terminal Position=DUAL, Width=3.5mm

## Via types
v1: diameter 50, hole 28, Top Layer to Bottom Layer, 26 vias
v2: diameter 170, hole 126, Top Layer to Bottom Layer, 4 vias

## Nets (pads, with @x,y where several pads share a name; then routed paths per layer and width w, separated by ;. In a path a pad name is that pad's centre, name@x,y a point inside that pad or via, vN(x,y) a via of type N, cw(c..) or ccw(c..) an arc to the next point about the centre after c; other vN are vias at no path point)
3V3: 3V3.1 3V3.2 C2.2 C3.2 C10.2 J1.5 J2.5 J3.5 R19.1 U1.6 U2.2 U2.4 | length 5793.4
  Top Layer w20: C3.2@1560,3069.5 1575,3054.5 C2.2 1735.5,3054.5 U1.6 ; C10.2 ccw(c1599.27,1471.73) 1630,1471.73 U2.2 ; v1(2180,3920) 2265.5,4005.5 3V3.2
  Top Layer w30: U2.2 U2.4 ; R19.1@1630,1900 U2.4 ; v1(1770,1810) 1769.35,1809.35 1630.65,1809.35 U2.4 ; v1(1910,2760) 1913.83,2763.83 1913.83,2821.83 1941,2849 ; v1(1980,3240) 1976.17,3236.17 1976.17,3186.17 U1.6 1941,2849 ; J1.5 2390.53,2810 2351.53,2849 1941,2849
  Bottom Layer w30: v1(1770,1810) 1910,1950 v1(1910,2760) ; J2.5 2020,4410 2180,4250 v1(2180,3920) 2070,3810 ; v1(1980,3240) 1980,3507.71 2000,3527.71 2000,3740 2070,3810 ; J3.5 2264.65,3595.35 2070,3790 2070,3810
5V: 5V.1 5V.2 C4.2 C5.1 C6.2 C7.2 C11.2 J1.6 J3.6 J4.1 R1.2 R2.2 R3.1 R4.1 R5.2 R6.2 R13.2 R14.2 R16.2 R17.2 R18.1 U1.14 U1.20 U3.2 U3.4 | length 4777.3
  Top Layer w20: C11.2 ccw(c1257.19,1472.81) 1289.45,1472.81 U3.2 ; U1.14 1794.6,2195.4 1794.6,2165.4 1880,2080 C5.1 C6.2 ; U1.20 2195,2700 2219.5,2724.5 C7.2 C4.2 ; 5V.2 2434.5,3166.04 2445.04,3155.5 2494.96,3155.5 2505.5,3166.04 5V.1 5V.1@2512.75,3207.25 ; 2500,2570 2510,2560 R5.2 ; J3.6@2727.32,3427.32 2727.32,3238.18 R2.2 ; 2813.65,3245.5 R1.2
  Top Layer w30: U3.2 U3.4 1290.75,1808.7 U3.4@1298.26,1808.7 ; R18.1@1320,1900 1320,1837.95 cw(c1289.45,1837.95) U3.4@1298.26,1808.7 ; v1(1410,1810) 1408.7,1808.7 U3.4@1298.26,1808.7 ; U1.14 1940,2350 1940,2550 U1.20 2220,2570 J4.1 2500,2570 2670,2570 J1.6 2813.65,2713.65 2813.65,3245.5 2813.65,3341 2727.32,3427.32 J3.6 2724.65,3419.15 5V.1@2512.75,3207.25
  Bottom Layer w30: v1(1410,1810) 1410,1815 1790,2195 U1.14
BatCheck: R7.2 R10.2 U1.13 | length 569.1
  Top Layer w20: R10.2 R7.2 1380.5,2205.5 1475,2300 U1.13
Buzzer: BUZZ.1 BUZZ.2 LS1.1 U1.2 | length 1656.1
  Top Layer w20: BUZZ.1 1296.04,4735.5 1285.5,4724.96 1285.5,4675.04 1296.04,4664.5 BUZZ.2 1340.5,4664.5 1420,4585 LS1.1
  Top Layer w30: LS1.1 1570,4200 1570,3673.13 1569.5,3672.63 1569.5,3540.5 1710,3400 U1.2
GND: C1.2 C2.1 C3.1 C4.1 C5.2 C6.1 C7.1 C8.2 C9.2 C10.1 C11.1 C12.1 C13.1 D3.C D4.C D5.C GND.1 GND.2 J1.2 J2.4 J3.2 J4.2 J6.1 J7.2 J9.1 J9.2 J9.3 J9.4 J9.6 J9.7 J9.8 J9.9 J9.10 LS1.2 R10.1 R11.2 SW2.2 SW2.3 U1.15 U1.21 U2.1 U3.1 | length 2206.1
  Top Layer w20: v1(1170,1860) 1175.74,1865.74 1175.74,1883.26 D3.C ; U3.1 1198.9,1474.39 ccw(c1233.39,1474.39) C11.1 1209,1381 v1(1210,1380) ; v1(1260,2070) R10.1 ; C12.1 1455.5,1547.38 1470,1561.88 v1(1470,1570) ; v1(1490,3150) 1492.25,3147.75 1557.75,3147.75 C3.1 1630,3145.5 cw(c1630,3125.5) C2.1 ; U2.1@1538.15,1570 U2.1 1539.45,1475.47 ccw(c1575.47,1475.47) C10.1 ; D4.C 1713.76,1913.76 1766.24,1913.76 v1(1770,1910) ; C13.1 v1(1850,1440) ; v1(2060,2000) C6.1 C5.2 2050,2080 2090,2120 U1.15 ; U1.21 2092.25,2797.75 2227.75,2797.75 C7.1 C4.1 ; v1(2210,2030) C1.2 ; v1(2410,1910) 2415,1910 2449.5,1875.5 R11.2 ; v1(2650,1350) 2651.24,1348.76 2728.76,1348.76 D5.C ; v1(2730,1570) 2787,1570 2787,1536.04 2797.54,1525.5 2847.46,1525.5 2858,1536.04 GND.1@2858,1570 ; v1(2760,4430) GND.1@2760,4484.5 ; v1(2830,4390) GND.2@2890,4390
  Top Layer w30: v1(1470,1570) U2.1@1538.15,1570 ; v1(2540,1820) C8.2 ; v1(2540,2140) C9.2
  other v2: 1120,1110 2970,1120 1120,4730 2960,4730
I2CSCL: J1.4 J3.4 R2.1 SLC.1 SLC.2 U1.24 | length 2878.3
  Top Layer w20: R2.1 2731.32,3164.5 2737.32,3158.5 2737.32,2982.68 J1.4@2740,2980 ; J1.4 J1.4@2740,2980 ; SLC.1 2750,4193.96 2760.54,4204.5 2810.46,4204.5 2821,4193.96 SLC.2 2890,4160 2970,4080 2970,3720 2930,3680 2850,3680 2780.71,3749.29 2736.07,3749.29 J3.4 2500,3536.06 2500,3410 2250,3160 2123.94,3160 2096.12,3132.18 2096.12,3106.12 U1.24 2400,3100 2520,2980 J1.4@2740,2980
I2CSDA: J1.1 J3.1 R1.1 SDA.1 SDA.2 U1.25 | length 2859.2
  Top Layer w20: U1.25 2430,3540 2430,3740 2590,3900 2750.71,3900 J3.1 2890,3919.5 2820,3989.5 SDA.1 2820,4033.96 2809.46,4044.5 2759.54,4044.5 2749,4033.96 SDA.2 ; J1.1 R1.1
  Bottom Layer w20: U1.25 2170,3280 2480,3280 2640,3120 2765.35,3120 J1.1
LiBar: J11.1 U1.12 | length 620
  Top Layer w30: J11.1 U1.12
LiExtra: J12.1 U1.23 | length 1540.8
  Bottom Layer w20: J12.1 1690,3830 1880,3640 1880,3150 2030,3000 U1.23
LiHead: J5.1 U1.9 | length 1159.1
  Bottom Layer w20: J5.1 1430,3460 1700,3190 1700,2790 U1.9
LiTail1: J8.1 U1.10 | length 901.5
  Top Layer w20: J8.1 1180,3110 1440,2850 1440,2730 1570,2600 U1.10
LiTail2: J10.1 U1.11 | length 723.6
  Top Layer w30: J10.1 1280,2640 1403.5,2640 1543.5,2500 U1.11
NetC1_1: C1.1 SW1.3 SW1.4 U1.18 | length 1009.6
  Top Layer w20: SW1.4 SW1.3 2337.75,1852.25 C1.1@2337.75,2020
  Top Layer w25: U1.18 2338,2252 C1.1@2338,2020
NetD1_A: D1.A R3.2 | length 82.3
  Top Layer w20: R3.2 1634.48,2975.5 D1.A
NetD1_C: D1.C U1.7 | length 152.1
  Top Layer w20: D1.C 1642.51,2902.51 1787.49,2902.51 U1.7
NetD2_A: D2.A R4.2 | length 89.2
  Top Layer w20: R4.2 1590.5,2759 1596.5,2753 1596.5,2742.5 1611.48,2727.52 D2.A
NetD2_C: D2.C U1.8 | length 143.1
  Top Layer w20: D2.C 1653.76,2796.24 1786.24,2796.24 U1.8
NetD3_A: D3.A R18.2 | length 110.6
  Top Layer w20: D3.A 1210.74,1981.74 1319.26,1981.74 R18.2
NetD4_A: D4.A R19.2 | length 81
  Top Layer w20: R19.2 1631.24,1981.24 1708.76,1981.24 D4.A
NetD5_A: D5.A R20.2 | length 111.3
  Top Layer w20: D5.A 2778.11,1412.48 2781.13,1415.5 R20.2
NetJ5_2: J5.2 R6.1 | length 235.4
  Top Layer w15: J5.2 1265.5,3474.5 R6.1
NetJ6_2: J6.2 PMOS1.2 R8.1
NetJ8_2: J8.2 R13.1 | length 228.8
  Top Layer w15: J8.2 1251.58,3210 1297.08,3164.5 R13.1
NetJ9_5: J9.5 PMOS2.2 R15.1 | length 1123.5
  Top Layer w15: J9.5 1354.95,1215.82 1354.95,1274.95 1380,1300 ; R15.1 R15.1@2266.45,1380.95 ; PMOS2.2@2266.45,1450.05 PMOS2.2
  Top Layer w20: 1380,1300 2250,1300 2265.5,1315.5 R15.1 ; R15.1@2266.45,1380.95 PMOS2.2@2266.45,1450.05
NetJ10_2: J10.2 R14.1 | length 243.7
  Top Layer w20: J10.2 1178,2842 1228,2842 1325.5,2744.5 R14.1
NetJ11_2: J11.2 R16.1 | length 200.1
  Top Layer w20: J11.2 1260,2500 1280,2480 1355.5,2480 R16.1
NetJ12_2: J12.2 R17.1 | length 231.3
  Top Layer w15: J12.2 1241.58,3930 1317.08,3854.5 R17.1
NetPMOS1_1: PMOS1.1 R8.2 SW2.4 | length 507.5
  Top Layer w20: SW2.4 2126.95,1256.95 2316.95,1256.95 2374.5,1314.5 R8.2 2374.5,1390.5 2362.6,1402.4 PMOS1.1
NetPMOS2_1: PMOS2.1 R15.2 SW2.1 | length 627.5
  Top Layer w20: v1(2050,1440) 2058.12,1440 2069.12,1451 PMOS2.1 2193.55,1450.05 2193.55,1380.95 R15.2
  Bottom Layer w25: SW2.1 1800,1190 v1(2050,1440)
NetR7_1: R7.1 R9.1 | length 110
  Top Layer w20: R7.1 R9.1
NetR9_2: R9.2 R12.1 | length 120
  Top Layer w20: R9.2 R12.1
NetR11_1: R11.1 SW1.1 SW1.2 | length 468.2
  Top Layer w20: SW1.1 2392.83,1672.83 2460,1740 R11.1
  Top Layer w25: SW1.2 SW1.1
RaCE: CE.1 CE.2 J2.3 U1.4 | length 1832.5
  Top Layer w15: CE.1 1587.5,4703 1557.08,4703 1548,4693.92 1548,4646.08 1557.08,4637 1587.5,4637 CE.2 1590,4430 J2.3 1700,4310 1630,4240 1630,3580 1760,3450 1798.69,3450 1831.5,3417.19 1831.5,3382.81 1798.69,3350 1781.31,3350 1748.5,3317.19 1748.5,3282.81 1782.92,3248.39 1782.92,3207.08 U1.4
RaCSN: CSN.1 CSN.2 J2.6 U1.1 | length 1326.5
  Top Layer w15: CSN.2 1777.5,4703 1747.08,4703 1738,4693.92 1738,4646.08 1747.08,4637 1777.5,4637 CSN.1 1780,4501.41 1767,4488.41 1767,4353 J2.6 1804.64,4304.64 1804.64,4274.64 1767,4237 1767,3884.66 1790,3861.66 U1.1
RaIRQ: IRQ.1 IRQ.2 J2.8 U1.3 | length 2276.4
  Top Layer w15: U1.3 1854.5,3364.5 1854.5,4065.5 J2.8 ; v1(2020,4280) 2090,4280 2250,4440 2250,4680 2350,4780 2455,4780 2529.5,4705.5 IRQ.2 2542.5,4703 2572.92,4703 2582,4693.92 2582,4646.08 2572.92,4637 2542.5,4637 IRQ.1
  Bottom Layer w15: J2.8 1903.55,4110 1914.05,4099.5 1996.78,4099.5 2020,4122.72 v1(2020,4280)
RaMISO: J2.1 MISO.1 MISO.2 U1.27 | length 1939.3
  Top Layer w15: v1(2000,3970) 2000,3735.26 1990,3725.26 1990,3500 U1.27 ; v1(2110,4150) 2350,4390 MISO.1 2352.5,4637 2382.92,4637 2392,4646.08 2392,4693.92 2382.92,4703 2352.5,4703 MISO.2
  Bottom Layer w15: J2.1 1880,3940 1970,3940 v1(2000,3970) 2110,4080 v1(2110,4150)
RaMOSI: J2.7 MOSI.1 MOSI.2 U1.26 | length 2048
  Top Layer w15: U1.26 1930,3460 1930,4090 J2.7 1877.37,4277.37 1877.37,4727.37 1930,4780 2075,4780 2149.5,4705.5 MOSI.2 2162.5,4703 2192.92,4703 2202,4693.92 2202,4646.08 2192.92,4637 2162.5,4637 MOSI.1
RaSCK: J2.2 SCK.1 SCK.2 U1.28 | length 1629.7
  Top Layer w15: SCK.2 1967.5,4703 1937.08,4703 1928,4693.92 1928,4646.08 1937.08,4637 1967.5,4637 SCK.1 1959.5,4634.5 1951,4626 1951,4220.47 1940,4209.47 v1(1940,4200) 2090,4050 U1.28
  Bottom Layer w15: J2.2 1767,4153 1893,4153 v1(1940,4200)
UPDI: J4.3 R5.1 U1.19 | length 515.3
  Top Layer w20: J4.3 R5.1
  Top Layer w25: U1.19 2315.22,2374.78 2355.22,2374.78 J4.3
Vbatt: BATT.1 BATT.2 C8.1 C9.1 C12.2 C13.2 J1.3 J3.3 J7.1 PMOS1.3 PMOS2.3 R12.2 R20.1 U2.3 U3.3 | length 524.5
  Top Layer w20: 1470,1670 1470,2015 1589.5,2134.5 R12.2
pads on no net: J1.7 J3.7 SW2.SH1 SW2.SH2 U1.5 U1.16 U1.17 U1.22

## Polygon pours and split planes (outlines as drawn)
5V on Top Layer "5V_L01_P010" (solid, remove dead copper, pour order 10): 1120,1750 cw(c1120,1850) 1020,1850 1020,4100 cw(c1120,4100) 1120,4200 1440,4200 cw(c1440,4100) 1540,4100 1540,3480 ccw(c1600,3480) 1600,3420 cw(c1600,3330) 1690,3330 1690,2130 cw(c1590,2130) 1590,2030 1580,2030 ccw(c1580,1960) 1510,1960 1510,1850 cw(c1410,1850) 1410,1750 1380,1750
GND on Top Layer "GND_L01_P009" (solid, pour order 9): 1430,1270 1480,1270 cw(c1480,1220) 1530,1220 1530,1050 cw(c1510,1050) 1510,1030 1370,1030 cw(c1370,1090) 1310,1090 1310,1130 cw(c1350,1130) 1350,1170 ccw(c1350,1200) 1380,1200 1380,1250 cw(c1400,1250) 1400,1270 1450,1270
Vbatt on Top Layer "VBATT_L01_P003" (solid, remove dead copper, pour order 3): 2730,1190 ccw(c2894.71,1175.8) 2950,1020 ccw(c2955,1115) 3050,1110 3050,3510 ccw(c3020,3510) 3020,3540 2870,3540 ccw(c2870,3480) 2810,3480 2810,2560 cw(c2710,2560) 2710,2460 2660,2460 ccw(c2660,2360) 2560,2360 2560,1590 ccw(c2650,1590) 2650,1500 cw(c2650,1420) 2730,1420 2750,1300
Vbatt on Top Layer "VBATT_L01_P004" (solid, pour order 4): 2650,1490 ccw(c2650,1540) 2700,1540 2700,1580 ccw(c2650,1580) 2650,1630 2390,1630 1840,1640 cw(c1859.42,1761.04) 1790,1660 ccw(c1730,1660) 1730,1720 1370,1720 ccw(c1380.26,1659.72) 1319.99,1649.45 1319.99,1410 ccw(c1369.99,1410) 1370,1360 1940,1360 ccw(c1940,1410) 1990,1410 1990,1450 cw(c2030,1450) 2030,1490 2210,1490
NetJ6_2 on Top Layer "NETJ6_2_L01_P002" (solid, pour order 2): 2470,1070 cw(c2470,1100) 2440,1100 2440,1260 ccw(c2430,1260) 2430,1270 cw(c2430,1290) 2410,1290 2410,1440 cw(c2440,1440) 2440,1470 2520,1470 cw(c2520,1410) 2580,1410 2580,1120 cw(c2530,1120) 2530,1070
GND on Bottom Layer "GND_L02_P000" (solid, pour order 0): 1000,4850 1000,1000 3080,1000 3080,4850

## Silkscreen, mask and mechanical layers (free items; w line width, h text height)
Top Overlay:
  lines w10: 2470,3440 2540,3440 ; 2470,3600 2540,3600 ; 2510,3410 2540,3440 ; 2510,3470 2540,3440 ; 2510,3570 2540,3600 ; 2510,3630 2540,3600 ; 2510,3730 2540,3760 ; 2510,3790 2540,3760 ; 2520,4160 2470,4160 2470,3760 2540,3760 ; 2720,3990 2820,3890 ; 2790,3890 2820,3890 ; 2820,3920 2820,3890 ; 1630,3960 1630,4510 3050,4510 3050,3960 1630,3960
  text "+" at 1030,4000 h60
  text "+" at 1030,3640 h60
  text "3V3" at 2290,3570 h60
  text "GND" at 3062,3538 h40 r90
  text "CSN(PA7)" at 1567,3487 h25
  text "SCK(PA6)" at 2137,3487 h25
  text "5V" at 2340,3410 h60
  text "Buzz(PC0)" at 1537,3387 h25
  text "MISO(PA5)" at 2137,3387 h25
  text "5V" at 3062,3378 h40 r90
  text "IRQ(PC1)" at 1557,3317 h25
  text "+" at 1020,3290 h60
  text "MOSI(PA4)" at 2137,3287 h25
  text "CE(PC2)" at 1607,3237 h25
  text "SDA(PA3)" at 2137,3187 h25
  text "SCL(PA2)" at 2137,3087 h25
  text "+" at 1020,2920 h60
  text "+" at 1020,2570 h60
  text "5V" at 2447,2557 h25
  text "GND" at 2217,2457 h25
  text "UPDI" at 2197,2357 h25
  text "Reset" at 2110,1910 h40
  text "+" at 2480,1280 h60
  text "USB | OFF | -->" at 1590,1010 h50
  text "+" at 2870,1010 h60
Bottom Overlay:
  drawing of 7944 lines, arcs and shapes, not listed
  text "Didsbury Diddlers & Co. Est. 2006" at 2770,4540 h80
  text "ECU Board - Vikram Procter" at 2720,4340 h50
  text "Light Bar" at 1078,3748 h30 r270
  text "Left Head" at 1048,3388 h30 r270
  text "Right Head" at 1058,3028 h30 r270
  text "Left Tail" at 1048,2698 h30 r270
  text "Right Tail" at 1058,2328 h30 r270
  text "-" at 2410.94,1021.52 h60
  text "+" at 2510,1020 h60
  text "-" at 2740,1020.01 h60
  text "+" at 2840,1020 h60

## Text inside footprints (layer, text, board x,y; h text height)
SW1: Top Overlay "*" at 2352.5,1638.33 h50 r180; Mechanical 13 "*" at 2306.59,1695 h50 r180
U1: Top Overlay "*" at 1777.5,3531 h50; Mechanical 13 "*" at 1790,3475 h50